# KiCad board PCB0240.kicad_pcb (continued)
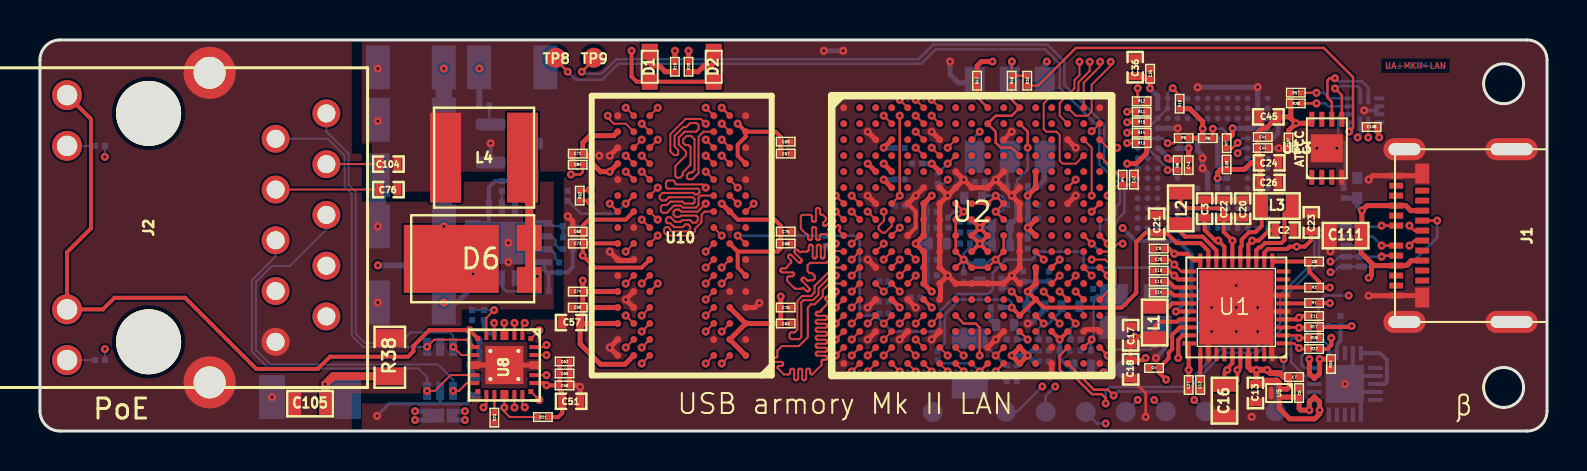
[diagram p0: board, top side]
## Routing (per net, layer and track width the routed paths; a pad name or vN(x,y) marks a point on that pad's centre or on a via; arc(x,y) is an arc through that point) (continued)
/DDR/DRAM_A8: length 34
  TOP w0.1: U2.J4 v1(42.99,10.18) ; v1(29.29,16.18) U10.T8
  SIGNAL_2 w0.1: v1(42.99,10.18) 42.99,11.23 42.62,11.6 42.62,12.39 42.63,12.41 42.63,12.43 42.65,12.45 42.66,12.47 42.68,12.48 42.7,12.49 42.75,12.49 42.77,12.5 42.79,12.51 42.8,12.53 42.81,12.55 42.82,12.57 42.82,12.59 42.82,12.61 42.81,12.63 42.8,12.65 42.79,12.67 42.77,12.68 42.75,12.69 42.72,12.69 42.57,12.69 42.56,12.69 42.55,12.69 42.54,12.7 42.53,12.71 42.53,12.72 42.52,12.73 42.52,12.74 42.52,12.84 42.52,12.85 42.53,12.86 42.53,12.87 42.54,12.88 42.55,12.89 42.56,12.89 42.57,12.89 42.72,12.89 42.75,12.89 42.77,12.9 42.79,12.91 42.8,12.93 42.81,12.95 42.82,12.97 42.82,12.99 42.82,13.01 42.81,13.03 42.8,13.05 42.79,13.07 42.77,13.08 42.75,13.09 42.72,13.09 42.57,13.09 42.56,13.09 42.55,13.09 42.54,13.1 42.53,13.11 42.53,13.12 42.52,13.13 42.52,13.14 42.52,13.24 42.52,13.25 42.53,13.26 42.53,13.27 42.54,13.28 42.55,13.29 42.56,13.29 42.57,13.29 42.87,13.29 42.9,13.29 42.92,13.3 42.94,13.31 42.95,13.33 42.96,13.35 42.97,13.37 42.97,13.39 42.97,13.41 42.96,13.43 42.95,13.45 42.94,13.47 42.92,13.48 42.9,13.49 42.87,13.49 42.57,13.49 42.56,13.49 42.55,13.49 42.54,13.5 42.53,13.51 42.53,13.52 42.52,13.53 42.52,13.54 42.52,13.64 42.52,13.65 42.53,13.66 42.53,13.67 42.54,13.68 42.55,13.69 42.56,13.69 42.57,13.69 42.87,13.69 42.9,13.69 42.92,13.7 42.94,13.71 42.95,13.73 42.96,13.75 42.97,13.77 42.97,13.79 42.97,13.81 42.96,13.83 42.95,13.85 42.94,13.87 42.92,13.88 42.9,13.89 42.87,13.89 42.57,13.89 42.56,13.89 42.55,13.89 42.54,13.9 42.53,13.91 42.53,13.92 42.52,13.93 42.52,13.94 42.52,14.04 42.52,14.05 42.53,14.06 42.53,14.07 42.54,14.08 42.55,14.09 42.56,14.09 42.57,14.09 42.87,14.09 42.9,14.09 42.92,14.1 42.94,14.11 42.95,14.13 42.96,14.15 42.97,14.17 42.97,14.19 42.97,14.21 42.96,14.23 42.95,14.25 42.94,14.27 42.92,14.28 42.9,14.29 42.87,14.29 42.57,14.29 42.56,14.29 42.55,14.29 42.54,14.3 42.53,14.31 42.53,14.32 42.52,14.33 42.52,14.34 42.52,14.44 42.52,14.45 42.53,14.46 42.53,14.47 42.54,14.48 42.55,14.49 42.56,14.49 42.57,14.49 42.87,14.49 42.9,14.49 42.92,14.5 42.94,14.51 42.95,14.53 42.96,14.55 42.97,14.57 42.97,14.59 42.97,14.61 42.96,14.63 42.95,14.65 42.94,14.67 42.92,14.68 42.9,14.69 42.87,14.69 42.37,14.69 42.35,14.69 42.33,14.7 42.31,14.71 42.3,14.73 42.28,14.75 42.28,14.77 42.27,14.79 42.28,14.81 42.28,14.83 42.3,14.85 42.31,14.87 42.33,14.88 42.35,14.89 42.37,14.89 42.87,14.89 42.9,14.89 42.92,14.9 42.94,14.91 42.95,14.93 42.96,14.95 42.97,14.97 42.97,14.99 42.97,15.01 42.96,15.03 42.95,15.05 42.94,15.07 42.92,15.08 42.9,15.09 42.87,15.09 42.37,15.09 42.35,15.09 42.33,15.1 42.31,15.11 42.3,15.13 42.28,15.15 42.28,15.17 42.27,15.19 42.28,15.21 42.28,15.23 42.3,15.25 42.31,15.27 42.33,15.28 42.35,15.29 42.37,15.29 42.72,15.29 42.75,15.29 42.77,15.3 42.79,15.31 42.8,15.33 42.81,15.35 42.82,15.37 42.82,15.39 42.82,15.41 42.81,15.43 42.8,15.45 42.79,15.47 42.77,15.48 42.75,15.49 42.7,15.49 42.68,15.5 42.66,15.51 42.65,15.53 42.63,15.55 42.63,15.57 42.62,15.59 42.62,16.83 42.85,17.06 43.31,17.06 43.77,17.52 43.77,17.96 43.54,18.19 28.96,18.19 28.75,17.98 28.75,15.9 28.9,15.75 29.2,15.75 29.29,15.84 v1(29.29,16.18)
/DDR/DRAM_A9: length 33.9
  TOP w0.1: v1(33.29,15.38) 33.05,15.62 32.28,15.62 31.52,14.86 31.52,13.99 31.7,13.81 31.86,13.81 31.91,13.86 31.91,14.07 31.73,14.25 31.73,14.77 32.17,15.21 32.31,15.21 32.51,15.41 32.83,15.41 32.93,15.31 32.93,15.11 32.8,14.98 32.23,14.98 31.94,14.69 31.94,14.34 32.3,13.98 32.3,13.79 31.77,13.26 31.77,12.76 31.85,12.68 32.01,12.68 32.14,12.81 32.14,12.94 32.53,13.33 32.53,14.21 32.43,14.31 32.27,14.31 32.16,14.42 32.16,14.59 32.34,14.77 32.56,14.77 32.73,14.6 32.73,13.06 32.61,12.94 32.48,12.94 32.35,12.81 32.35,12.67 32.42,12.6 32.62,12.6 32.93,12.91 32.93,14.73 33.18,14.98 U10.R3 ; U2.L2 v1(40.59,7.78)
  SIGNAL_2 w0.1: v1(33.29,15.38) U10.R3 36.63,14.98 36.76,14.85 36.76,13.34 38.04,12.06 38.04,11.4 39.24,10.21 40.97,10.21 41.37,9.81 41.37,9.02 41.45,8.94 41.54,8.94 41.75,8.73 41.75,8.41 41.54,8.2 41.09,8.2 40.67,7.78 v1(40.59,7.78)
/DDR/DRAM_A10: length 34
  TOP w0.1: U2.M4 v1(42.99,6.98) ; v1(30.89,12.18) U10.L7
  SIGNAL_2 w0.1: v1(42.99,6.98) 43.39,6.58 43.39,6.57 43.39,6.56 43.38,6.55 43.37,6.54 43.37,6.53 43.35,6.53 43.33,6.53 43.32,6.53 43.31,6.52 43.3,6.51 43.3,6.5 43.29,6.49 43.29,6.48 43.29,6.38 43.29,6.37 43.3,6.36 43.3,6.35 43.31,6.34 43.32,6.33 43.33,6.33 43.35,6.33 43.37,6.33 43.37,6.32 43.38,6.31 43.39,6.3 43.39,6.29 43.39,6.28 43.39,6.08 43.39,6.07 43.39,6.06 43.38,6.05 43.37,6.04 43.37,6.03 43.35,6.03 43.33,6.03 43.32,6.03 43.31,6.02 43.3,6.01 43.3,6 43.29,5.99 43.29,5.98 43.29,5.88 43.29,5.87 43.3,5.86 43.3,5.85 43.31,5.84 43.32,5.83 43.33,5.83 43.34,5.83 43.49,5.83 43.51,5.83 43.53,5.82 43.55,5.81 43.56,5.79 43.57,5.78 43.58,5.76 43.58,5.74 43.58,5.72 43.58,5.7 43.57,5.68 43.56,5.67 43.55,5.65 43.53,5.64 43.51,5.63 43.47,5.63 43.45,5.62 43.43,5.61 43.41,5.59 43.4,5.58 43.4,5.56 43.39,5.54 43.39,5.28 43.39,5.27 43.39,5.26 43.38,5.25 43.37,5.24 43.37,5.23 43.35,5.23 43.33,5.23 43.32,5.23 43.31,5.22 43.3,5.21 43.3,5.2 43.29,5.19 43.29,5.18 43.29,5.08 43.29,5.07 43.3,5.06 43.3,5.05 43.31,5.04 43.32,5.03 43.33,5.03 43.34,5.03 43.49,5.03 43.51,5.03 43.53,5.02 43.55,5.01 43.56,4.99 43.57,4.98 43.58,4.96 43.58,4.94 43.58,4.92 43.58,4.9 43.57,4.88 43.56,4.87 43.55,4.85 43.53,4.84 43.51,4.83 43.47,4.83 43.45,4.82 43.43,4.81 43.41,4.79 43.4,4.78 43.4,4.76 43.39,4.74 43.39,4.48 43.39,4.47 43.39,4.46 43.38,4.45 43.37,4.44 43.37,4.43 43.35,4.43 43.33,4.43 43.32,4.43 43.31,4.42 43.3,4.41 43.3,4.4 43.29,4.39 43.29,4.38 43.29,4.28 43.29,4.27 43.3,4.26 43.3,4.25 43.31,4.24 43.32,4.23 43.33,4.23 43.34,4.23 43.49,4.23 43.51,4.23 43.53,4.22 43.55,4.21 43.56,4.19 43.57,4.18 43.58,4.16 43.58,4.14 43.58,4.12 43.58,4.1 43.57,4.08 43.56,4.07 43.55,4.05 43.53,4.04 43.51,4.03 43.47,4.03 43.45,4.02 43.43,4.01 43.41,3.99 43.4,3.98 43.4,3.96 43.39,3.94 43.39,3.44 43.33,3.38 43.11,3.38 43.09,3.38 43.07,3.39 43.05,3.4 43.04,3.42 43.02,3.44 43.02,3.46 43.01,3.48 43.01,3.57 43.01,3.59 43,3.61 42.99,3.63 42.98,3.65 42.96,3.66 42.94,3.67 42.91,3.67 42.89,3.67 42.87,3.66 42.85,3.65 42.84,3.63 42.82,3.61 42.82,3.59 42.81,3.57 42.81,3.33 42.81,3.32 42.81,3.31 42.8,3.3 42.79,3.29 42.79,3.28 42.77,3.28 42.76,3.28 42.66,3.28 42.65,3.28 42.64,3.28 42.63,3.29 42.62,3.3 42.62,3.31 42.61,3.32 42.61,3.33 42.61,3.45 42.61,3.47 42.61,3.48 42.6,3.49 42.59,3.5 42.57,3.51 42.56,3.52 42.54,3.52 42.48,3.52 42.47,3.52 42.45,3.51 42.44,3.5 42.43,3.49 42.42,3.48 42.42,3.47 42.41,3.45 42.41,3.19 42.41,3.17 42.4,3.15 42.39,3.13 42.38,3.11 42.36,3.1 42.34,3.09 42.31,3.09 42.29,3.09 42.27,3.1 42.25,3.11 42.24,3.13 42.22,3.15 42.22,3.17 42.21,3.19 42.21,3.28 42.21,3.3 42.2,3.32 42.19,3.34 42.18,3.36 42.16,3.37 42.14,3.38 42.11,3.38 42.09,3.38 42.07,3.37 42.05,3.36 42.04,3.34 42.02,3.32 42.02,3.3 42.01,3.28 42.01,3.19 42.01,3.17 42,3.15 41.99,3.13 41.98,3.11 41.96,3.1 41.94,3.09 41.91,3.09 41.89,3.09 41.87,3.1 41.85,3.11 41.84,3.13 41.82,3.15 41.82,3.17 41.81,3.19 41.81,3.45 41.81,3.47 41.81,3.48 41.8,3.49 41.79,3.5 41.77,3.51 41.76,3.52 41.74,3.52 41.68,3.52 41.67,3.52 41.65,3.51 41.64,3.5 41.63,3.49 41.62,3.48 41.62,3.47 41.61,3.43 41.61,3.42 41.6,3.41 41.59,3.4 41.57,3.39 41.56,3.38 41.54,3.38 41.29,3.38 41.28,3.38 41.27,3.38 41.26,3.39 41.25,3.4 41.24,3.41 41.24,3.42 41.24,3.44 41.23,3.45 41.23,3.46 41.22,3.47 41.21,3.48 41.2,3.48 41.19,3.48 41.09,3.48 41.08,3.48 41.07,3.48 41.06,3.47 41.05,3.46 41.04,3.45 41.04,3.44 41.04,3.42 41.03,3.41 41.03,3.4 41.02,3.39 41.01,3.38 41,3.38 40.99,3.38 40.47,3.38 39.9,2.81 31.41,2.81 30.44,3.78 29.99,3.78 29.69,4.08 29.69,4.28 29.32,4.65 28.99,4.65 28.09,5.54 28.09,11.51 28.65,12.06 30.77,12.06 v1(30.89,12.18)
/DDR/DRAM_A11: length 34
  TOP w0.1: U10.R7 v1(30.09,15.38) ; v1(42.19,9.38) U2.K3
  SIGNAL_2 w0.1: v1(42.19,9.38) 42.19,10.19 42.29,10.29 42.59,10.29 42.73,10.43 42.73,11.14 42.3,11.57 42.3,11.83 41.79,12.34 41.79,12.53 41.79,12.55 41.78,12.57 41.77,12.59 41.76,12.61 41.74,12.62 41.72,12.63 41.69,12.63 41.54,12.63 41.52,12.63 41.5,12.64 41.48,12.65 41.47,12.67 41.45,12.69 41.45,12.71 41.44,12.73 41.45,12.75 41.45,12.77 41.47,12.79 41.48,12.81 41.5,12.82 41.52,12.83 41.54,12.83 41.89,12.83 41.92,12.83 41.94,12.84 41.96,12.85 41.97,12.87 41.98,12.89 41.99,12.91 41.99,12.93 41.99,12.95 41.98,12.97 41.97,12.99 41.96,13.01 41.94,13.02 41.92,13.03 41.89,13.03 41.74,13.03 41.73,13.03 41.72,13.03 41.71,13.04 41.7,13.05 41.7,13.06 41.69,13.07 41.69,13.08 41.69,13.18 41.69,13.19 41.7,13.2 41.7,13.21 41.71,13.22 41.72,13.23 41.73,13.23 41.75,13.23 41.77,13.23 41.77,13.24 41.78,13.25 41.79,13.26 41.79,13.27 41.79,13.28 41.79,13.53 41.8,13.55 41.8,13.57 41.82,13.59 41.83,13.61 41.85,13.62 41.87,13.63 41.92,13.63 41.94,13.64 41.96,13.65 41.97,13.67 41.98,13.69 41.99,13.71 41.99,13.73 41.99,13.75 41.98,13.77 41.97,13.79 41.96,13.81 41.94,13.82 41.92,13.83 41.89,13.83 41.74,13.83 41.73,13.83 41.72,13.83 41.71,13.84 41.7,13.85 41.7,13.86 41.69,13.87 41.69,13.88 41.69,13.98 41.69,13.99 41.7,14 41.7,14.01 41.71,14.02 41.72,14.03 41.73,14.03 41.75,14.03 41.77,14.03 41.77,14.04 41.78,14.05 41.79,14.06 41.79,14.07 41.79,14.08 41.79,14.29 41.84,14.34 41.85,14.34 41.87,14.34 41.87,14.35 41.88,14.36 41.89,14.37 41.89,14.38 41.89,14.39 41.89,14.49 41.89,14.5 41.89,14.51 41.88,14.52 41.87,14.53 41.87,14.54 41.85,14.54 41.84,14.54 41.7,14.54 41.68,14.54 41.66,14.55 41.64,14.56 41.63,14.57 41.62,14.59 41.61,14.61 41.61,14.63 41.61,14.65 41.61,14.67 41.62,14.69 41.63,14.71 41.64,14.72 41.66,14.73 41.68,14.74 41.7,14.74 41.93,14.74 41.95,14.74 41.97,14.75 41.99,14.76 42.01,14.78 42.02,14.8 42.02,14.82 42.03,14.84 42.02,14.86 42.02,14.88 42.01,14.9 41.99,14.92 41.97,14.93 41.95,14.94 41.93,14.94 41.89,14.94 41.87,14.94 41.85,14.95 41.83,14.96 41.82,14.98 41.8,15 41.8,15.02 41.79,15.04 41.8,15.06 41.8,15.08 41.82,15.1 41.83,15.12 41.85,15.13 41.87,15.14 41.89,15.14 41.93,15.14 41.95,15.14 41.97,15.15 41.99,15.16 42.01,15.18 42.02,15.2 42.02,15.22 42.03,15.24 42.02,15.26 42.02,15.28 42.01,15.3 41.99,15.32 41.97,15.33 41.95,15.34 41.93,15.34 41.7,15.34 41.68,15.34 41.66,15.35 41.64,15.36 41.63,15.37 41.62,15.39 41.61,15.41 41.61,15.43 41.61,15.45 41.61,15.47 41.62,15.49 41.63,15.51 41.64,15.52 41.66,15.53 41.68,15.54 41.72,15.54 41.74,15.55 41.76,15.56 41.77,15.57 41.78,15.59 41.79,15.61 41.79,15.63 41.79,15.94 41.81,15.96 41.82,15.98 41.82,16 41.82,16.02 41.82,16.04 41.81,16.06 41.79,16.08 41.49,16.39 41.47,16.41 41.46,16.43 41.46,16.45 41.46,16.47 41.46,16.49 41.47,16.51 41.49,16.53 41.5,16.54 41.52,16.55 41.55,16.56 41.57,16.56 41.59,16.55 41.61,16.54 41.63,16.53 41.93,16.22 41.95,16.21 41.97,16.2 41.99,16.19 42.02,16.19 42.04,16.2 42.06,16.21 42.08,16.22 42.32,16.22 42.42,16.33 42.42,17.07 42.61,17.26 43.23,17.26 43.5,17.54 43.5,17.85 43.36,17.99 43.34,17.99 43.32,17.98 43.3,17.97 43.29,17.95 43.27,17.93 43.27,17.91 43.26,17.89 43.26,17.7 43.26,17.68 43.25,17.65 43.24,17.64 43.23,17.62 43.21,17.61 43.19,17.6 43.16,17.6 43.14,17.6 43.12,17.61 43.1,17.62 43.09,17.64 43.07,17.65 43.07,17.68 43.06,17.7 43.06,17.89 43.06,17.91 43.05,17.93 43.04,17.95 43.03,17.97 43.01,17.98 42.99,17.99 42.96,17.99 29.12,17.99 28.95,17.82 28.95,16.72 29.08,16.59 29.66,16.59 29.78,16.47 29.78,15.69 v1(30.09,15.38)
/DDR/DRAM_A12: length 34
  TOP w0.1: U2.L4 v1(42.99,8.58) ; v1(30.09,13.78) U10.N7
  SIGNAL_2 w0.1: v1(30.09,13.78) 29.99,13.78 29.63,13.42 29.15,13.42 28.93,13.64 28.93,14.43 27.81,15.55 27.81,17.62 28.78,18.59 43.74,18.59 44.19,18.14 44.19,11.33 43.55,10.69 43.55,9.85 42.99,9.29 v1(42.99,8.58)
/DDR/DRAM_A13: length 28.7
  TOP w0.1: v1(33.29,16.18) U10.T3 ; U2.H3 v1(41.39,10.98)
  SIGNAL_2 w0.1: v1(33.29,16.18) 32.56,16.18 32,15.62 32,14.51 31.47,13.98 31.16,13.98 31.14,13.98 31.12,13.97 31.1,13.96 31.09,13.94 31.07,13.92 31.07,13.9 31.06,13.88 31.06,13.49 31.06,13.47 31.05,13.45 31.04,13.43 31.03,13.42 31.01,13.4 30.99,13.4 30.96,13.39 30.94,13.4 30.92,13.4 30.9,13.42 30.89,13.43 30.87,13.45 30.87,13.47 30.86,13.49 30.86,13.88 30.86,13.9 30.85,13.92 30.84,13.94 30.83,13.96 30.81,13.97 30.79,13.98 30.76,13.98 30.46,13.68 30.46,13.24 30.47,13.22 30.47,13.2 30.49,13.18 30.5,13.16 30.52,13.15 30.54,13.14 30.56,13.14 30.71,13.14 30.74,13.14 30.76,13.13 30.78,13.12 30.79,13.1 30.8,13.08 30.81,13.06 30.81,13.04 30.81,13.02 30.8,13 30.79,12.98 30.78,12.96 30.76,12.95 30.74,12.94 30.71,12.94 30.56,12.94 30.54,12.94 30.52,12.93 30.5,12.92 30.49,12.9 30.47,12.88 30.47,12.86 30.46,12.84 30.24,12.62 30.02,12.62 29.83,12.44 29.83,12.34 29.91,12.26 30.46,12.26 30.77,12.57 30.96,12.57 31.19,12.8 31.19,13.3 32.28,14.39 32.28,15.62 32.42,15.76 34.18,15.76 34.56,16.14 34.56,16.47 34.67,16.58 36.01,16.58 36.03,16.58 36.05,16.57 36.06,16.56 36.07,16.55 36.08,16.54 36.09,16.52 36.09,16.49 36.1,16.47 36.1,16.46 36.12,16.45 36.13,16.44 36.15,16.43 36.16,16.43 36.21,16.43 36.23,16.43 36.25,16.44 36.26,16.45 36.27,16.46 36.28,16.47 36.29,16.49 36.29,16.52 36.3,16.54 36.3,16.55 36.32,16.56 36.33,16.57 36.35,16.58 36.36,16.58 36.46,16.58 36.7,16.34 36.71,16.33 36.72,16.32 36.72,16.31 36.72,16.3 36.72,16.29 36.71,16.28 36.7,16.26 36.69,16.25 36.69,16.24 36.69,16.23 36.69,16.22 36.7,16.21 36.7,16.2 36.78,16.13 36.78,16.12 36.79,16.11 36.81,16.11 36.82,16.11 36.83,16.11 36.84,16.12 36.85,16.13 36.86,16.14 36.88,16.14 36.89,16.14 36.9,16.14 36.91,16.13 36.92,16.13 37.69,15.35 37.71,15.33 37.72,15.31 37.72,15.29 37.72,15.27 37.72,15.25 37.71,15.22 37.69,15.21 37.62,15.14 37.61,15.12 37.6,15.1 37.6,15.08 37.6,15.05 37.6,15.03 37.61,15.01 37.62,15 37.64,14.98 37.66,14.97 37.68,14.97 37.71,14.97 37.73,14.97 37.75,14.98 37.77,15 37.94,15.17 37.95,15.18 37.96,15.18 37.97,15.19 37.98,15.19 37.99,15.18 38,15.18 38.01,15.17 38.08,15.1 38.09,15.09 38.1,15.08 38.1,15.07 38.1,15.06 38.1,15.05 38.09,15.04 38.08,15.02 38.07,15.01 38.07,15 38.07,14.99 38.07,14.98 38.08,14.97 38.08,14.96 38.08,13.47 38.89,12.66 38.89,11.18 39.45,10.62 41.03,10.62 v1(41.39,10.98)
/DDR/DRAM_A14: length 24.9
  TOP w0.1: v1(39.79,11.78) 39.8,11.78 U2.G1 ; U10.T7 v1(30.89,16.18)
  SIGNAL_2 w0.1: 40.09,16.35 39.59,16.35 39.57,16.35 39.55,16.34 39.53,16.33 39.52,16.31 39.5,16.29 39.5,16.27 39.49,16.25 39.5,16.23 39.5,16.21 39.52,16.19 39.53,16.17 39.55,16.16 39.57,16.15 39.59,16.15 40.24,16.15 40.25,16.15 40.27,16.15 40.27,16.14 40.28,16.13 40.29,16.12 40.29,16.11 40.29,16.1 40.29,16 40.29,15.99 40.29,15.98 40.28,15.97 40.27,15.96 40.27,15.95 40.25,15.95 40.23,15.95 40.22,15.95 40.21,15.94 40.2,15.93 40.2,15.92 40.19,15.91 40.19,15.9 40.19,15.6 40.2,15.58 40.2,15.56 40.22,15.54 40.23,15.52 40.25,15.51 40.27,15.5 40.29,15.5 40.34,15.5 40.37,15.5 40.39,15.49 40.41,15.48 40.42,15.46 40.43,15.44 40.44,15.42 40.44,15.4 40.44,15.38 40.43,15.36 40.42,15.34 40.41,15.32 40.39,15.31 40.37,15.3 40.34,15.3 39.59,15.3 39.57,15.3 39.55,15.29 39.53,15.28 39.52,15.26 39.5,15.24 39.5,15.22 39.49,15.2 39.5,15.18 39.5,15.16 39.52,15.14 39.53,15.12 39.55,15.11 39.57,15.1 39.59,15.1 40.09,15.1 40.12,15.1 40.14,15.09 40.16,15.08 40.17,15.06 40.18,15.04 40.19,15.02 40.19,15 40.19,14.98 40.18,14.96 40.17,14.94 40.16,14.92 40.14,14.91 40.12,14.9 40.09,14.9 39.59,14.9 39.57,14.9 39.55,14.89 39.53,14.88 39.52,14.86 39.5,14.84 39.5,14.82 39.5,13.1 40,12.6 40,11.98 v1(39.79,11.78) ; v1(30.89,16.18) 30.44,16.18 30.21,16.41 30.21,16.65 29.87,16.99 29.47,16.99 29.35,17.11 29.35,17.49 29.45,17.59 38.66,17.59 39.03,17.22 39.26,17.22 39.27,17.22 39.29,17.22 39.29,17.23 39.3,17.24 39.31,17.25 39.31,17.26 39.31,17.28 39.32,17.29 39.32,17.3 39.33,17.31 39.34,17.32 39.35,17.32 39.36,17.32 39.46,17.32 39.47,17.32 39.49,17.32 39.49,17.31 39.5,17.3 39.51,17.29 39.51,17.28 39.51,17.27 39.51,16.77 39.52,16.75 39.52,16.73 39.54,16.71 39.55,16.69 39.57,16.68 39.59,16.67 39.61,16.67 39.64,16.67 39.66,16.68 39.68,16.69 39.69,16.71 39.7,16.73 39.71,16.75 39.71,16.77 39.71,17.12 39.72,17.14 39.72,17.16 39.74,17.18 39.75,17.2 39.77,17.21 39.79,17.22 39.81,17.22 40.19,16.84 40.19,16.45 40.19,16.43 40.18,16.41 40.17,16.39 40.16,16.37 40.14,16.36 40.12,16.35
/DDR/DRAM_A15: length 33.9
  TOP w0.1: v1(30.09,12.98) U10.M7 ; U2.K5 v1(43.79,8.58)
  SIGNAL_2 w0.1: v1(30.09,12.98) 29.39,12.28 28.58,12.28 27.89,11.59 27.89,5.46 28.89,4.46 28.89,3.89 30.17,2.61 43.96,2.61 44.19,2.84 44.19,8.18 v1(43.79,8.58)
/DDR/DRAM_CAS_B: length 34
  TOP w0.1: v1(33.29,11.38) 32.89,10.98 32.06,10.98 31.96,11.08 31.78,11.08 31.68,10.98 31.68,10.82 31.78,10.72 31.99,10.72 32.05,10.78 32.82,10.78 32.89,10.71 32.89,10.52 32.8,10.43 32.63,10.43 32.51,10.55 32.11,10.55 32.03,10.47 31.76,10.47 31.53,10.7 31.39,10.7 31.3,10.61 31.3,10.47 31.37,10.4 31.52,10.4 31.72,10.2 32.13,10.2 32.27,10.34 32.41,10.34 32.51,10.24 32.51,10.1 32.4,9.99 31.57,9.99 31.51,10.05 31.51,10.11 31.42,10.2 31.29,10.2 31.21,10.12 31.21,9.93 31.36,9.78 32.54,9.78 32.76,10 32.76,10.13 33.08,10.45 33.08,10.82 33.24,10.98 U10.K3 ; U2.J2 v1(40.59,9.38)
  SIGNAL_2 w0.1: v1(33.29,11.38) 33.11,11.2 33.04,11.2 32.91,11.33 32.91,11.68 32.84,11.75 32.66,11.75 32.6,11.69 32.6,11.53 32.67,11.46 32.67,11.23 32.6,11.16 32.45,11.16 32.37,11.24 32.37,11.69 32.47,11.79 32.47,12.04 32.73,12.3 32.73,12.51 32.68,12.56 32.47,12.56 32.41,12.5 32.41,12.28 32.26,12.13 32.26,11.87 32.1,11.71 32.1,11.59 32.16,11.53 32.16,11.26 32.11,11.21 31.92,11.21 31.68,11.45 31.68,11.58 32.05,11.95 32.05,12.23 32.21,12.39 32.21,12.85 32.29,12.92 32.43,12.92 32.57,12.78 32.95,12.78 33.08,12.65 33.08,12.47 32.93,12.32 32.93,11.93 33.04,11.82 33.53,11.82 33.65,11.94 33.65,12.48 34.15,12.98 35.18,12.98 35.37,12.79 36.18,12.79 37.2,11.77 37.2,10.64 37.28,10.56 37.49,10.56 37.55,10.5 37.55,10.39 37.48,10.32 37.36,10.32 37.31,10.27 37.31,10.15 37.41,10.05 37.99,10.05 38.97,9.07 38.97,8.78 39.09,8.66 39.37,8.66 39.7,8.99 39.91,8.99 40.3,9.38 v1(40.59,9.38)
/DDR/DRAM_CS0_B: length 34
  TOP w0.1: v1(34.89,11.38) U10.L2 ; U2.N2 v1(40.59,6.18)
  SIGNAL_2 w0.1: v1(40.59,6.18) 40.19,6.58 40.18,6.58 40.17,6.58 40.16,6.59 40.15,6.6 40.15,6.61 40.14,6.62 40.14,6.64 40.14,6.65 40.13,6.66 40.12,6.67 40.12,6.68 40.1,6.68 40.09,6.68 39.99,6.68 39.98,6.68 39.97,6.68 39.96,6.67 39.95,6.66 39.95,6.65 39.94,6.64 39.94,6.62 39.94,6.61 39.93,6.6 39.92,6.59 39.92,6.58 39.9,6.58 39.89,6.58 39.69,6.58 39.68,6.58 39.67,6.58 39.66,6.59 39.65,6.6 39.65,6.61 39.64,6.62 39.64,6.64 39.64,6.65 39.63,6.66 39.62,6.67 39.62,6.68 39.6,6.68 39.59,6.68 39.49,6.68 39.48,6.68 39.47,6.68 39.46,6.67 39.45,6.66 39.45,6.65 39.44,6.64 39.44,6.63 39.44,6.33 39.44,6.31 39.43,6.29 39.42,6.27 39.41,6.25 39.39,6.24 39.37,6.23 39.34,6.23 39.32,6.23 39.3,6.24 39.28,6.25 39.27,6.27 39.25,6.29 39.25,6.31 39.24,6.33 39.24,6.48 39.24,6.5 39.23,6.52 39.22,6.54 39.21,6.56 39.19,6.57 39.17,6.58 39.14,6.58 38.86,6.58 38.63,6.35 38.63,6.33 38.62,6.31 38.61,6.29 38.6,6.27 38.58,6.26 38.56,6.25 38.53,6.25 37.43,6.25 37.41,6.25 37.39,6.24 37.37,6.23 37.36,6.21 37.34,6.19 37.34,6.17 37.33,6.15 37.34,6.13 37.34,6.11 37.36,6.09 37.37,6.07 37.39,6.06 37.41,6.05 37.43,6.05 38.53,6.05 38.56,6.05 38.58,6.04 38.6,6.03 38.61,6.01 38.62,5.99 38.63,5.97 38.63,5.95 38.63,5.69 38.26,5.32 38.24,5.32 38.22,5.33 38.2,5.34 38.19,5.36 38.17,5.38 38.17,5.4 38.16,5.42 38.16,5.62 38.16,5.64 38.15,5.66 38.14,5.68 38.13,5.7 38.11,5.71 38.09,5.72 38.06,5.72 38.04,5.72 38.02,5.71 38,5.7 37.99,5.68 37.97,5.66 37.97,5.64 37.96,5.62 37.96,5.42 37.96,5.4 37.95,5.38 37.94,5.36 37.93,5.34 37.91,5.33 37.89,5.32 37.86,5.32 37.84,5.32 37.82,5.33 37.8,5.34 37.79,5.36 37.77,5.38 37.77,5.4 37.76,5.42 37.76,5.62 37.76,5.64 37.75,5.66 37.74,5.68 37.73,5.7 37.71,5.71 37.69,5.72 37.66,5.72 37.64,5.72 37.62,5.71 37.6,5.7 37.59,5.68 37.57,5.66 37.57,5.64 37.56,5.62 37.56,5.42 37.56,5.4 37.55,5.38 37.54,5.36 37.53,5.34 37.51,5.33 37.49,5.32 37.46,5.32 37.44,5.32 37.42,5.33 37.4,5.34 37.39,5.36 37.37,5.38 37.37,5.4 37.36,5.42 37.36,5.67 37.36,5.69 37.35,5.71 37.34,5.73 37.33,5.75 37.31,5.76 37.29,5.77 37.26,5.77 37.24,5.77 37.22,5.76 37.2,5.75 37.19,5.73 37.17,5.71 37.17,5.69 37.16,5.67 37.16,5.42 37.16,5.4 37.15,5.38 37.14,5.36 37.13,5.34 37.11,5.33 37.09,5.32 37.06,5.32 37.04,5.32 37.02,5.33 37,5.34 36.99,5.36 36.97,5.38 36.97,5.4 36.96,5.42 36.96,6.27 36.96,6.29 36.95,6.31 36.94,6.33 36.93,6.35 36.91,6.36 36.89,6.37 36.86,6.37 36.84,6.37 36.82,6.36 36.8,6.35 36.79,6.33 36.77,6.31 36.77,6.29 36.76,6.27 36.76,5.42 36.76,5.4 36.75,5.38 36.74,5.36 36.73,5.34 36.71,5.33 36.69,5.32 36.66,5.32 36.64,5.32 36.62,5.33 36.6,5.34 36.59,5.36 36.57,5.38 36.57,5.4 36.56,5.42 36.56,6.52 36.56,6.54 36.55,6.56 36.54,6.58 36.53,6.6 36.51,6.61 36.49,6.62 36.46,6.62 36.44,6.62 36.42,6.61 36.4,6.6 36.39,6.58 36.37,6.56 36.37,6.54 36.36,6.52 36.36,5.42 36.36,5.4 36.35,5.38 36.34,5.36 36.33,5.34 36.31,5.33 36.29,5.32 36.26,5.32 35.69,5.32 35.28,5.73 35.29,5.75 35.29,5.77 35.31,5.79 35.32,5.81 35.34,5.82 35.36,5.83 35.38,5.83 35.93,5.83 35.96,5.83 35.98,5.84 36,5.85 36.01,5.87 36.02,5.89 36.03,5.91 36.03,5.93 36.03,5.95 36.02,5.97 36.01,5.99 36,6.01 35.98,6.02 35.96,6.03 35.93,6.03 35.38,6.03 35.36,6.03 35.34,6.04 35.32,6.05 35.31,6.07 35.29,6.09 35.29,6.11 35.28,6.13 35.28,6.67 35.47,6.86 35.73,6.86 35.91,7.04 35.92,7.06 35.92,7.08 35.94,7.1 35.95,7.12 35.97,7.13 35.99,7.14 36.01,7.14 37.11,7.14 37.14,7.14 37.16,7.15 37.18,7.16 37.19,7.18 37.2,7.2 37.21,7.22 37.21,7.24 37.21,7.26 37.2,7.28 37.19,7.3 37.18,7.32 37.16,7.33 37.14,7.34 37.11,7.34 36.01,7.34 35.99,7.34 35.97,7.35 35.95,7.36 35.94,7.38 35.92,7.4 35.92,7.42 35.91,7.44 35.92,7.46 35.92,7.48 35.94,7.5 35.95,7.52 35.97,7.53 35.99,7.54 36.01,7.54 37.11,7.54 37.14,7.54 37.16,7.55 37.18,7.56 37.19,7.58 37.2,7.6 37.21,7.62 37.21,7.64 37.21,7.66 37.2,7.68 37.19,7.7 37.18,7.72 37.16,7.73 37.14,7.74 37.11,7.74 36.01,7.74 35.99,7.74 35.97,7.75 35.95,7.76 35.94,7.78 35.92,7.8 35.92,7.82 35.91,7.84 35.92,7.86 35.92,7.88 35.94,7.9 35.95,7.92 35.97,7.93 35.99,7.94 36.01,7.94 37.11,7.94 37.14,7.94 37.16,7.95 37.18,7.96 37.19,7.98 37.2,8 37.21,8.02 37.21,8.04 37.21,8.06 37.2,8.08 37.19,8.1 37.18,8.12 37.16,8.13 37.14,8.14 37.11,8.14 36.01,8.14 35.99,8.14 35.97,8.15 35.95,8.16 35.94,8.18 35.92,8.2 35.92,8.22 35.91,8.24 35.91,8.5 35.83,8.58 35.83,9.01 35.98,9.16 36.1,9.16 36.31,9.37 36.31,11.37 35.94,11.74 35.25,11.74 v1(34.89,11.38)
